# Altium PCB CCZynq.PcbDoc (part 5 of 5)
Units mil, origin at the board's own origin, x right, y up, seen from the top; angles counter-clockwise.
Board outline 3895 x 3895 mil, 4 copper layers (Top Layer, GND, PWR, Bottom Layer), stack 23.756 mil thick; 247 components, 195 nets, 1181 pads, 779 vias.
Unrouted connection lines stored in the file: 8.
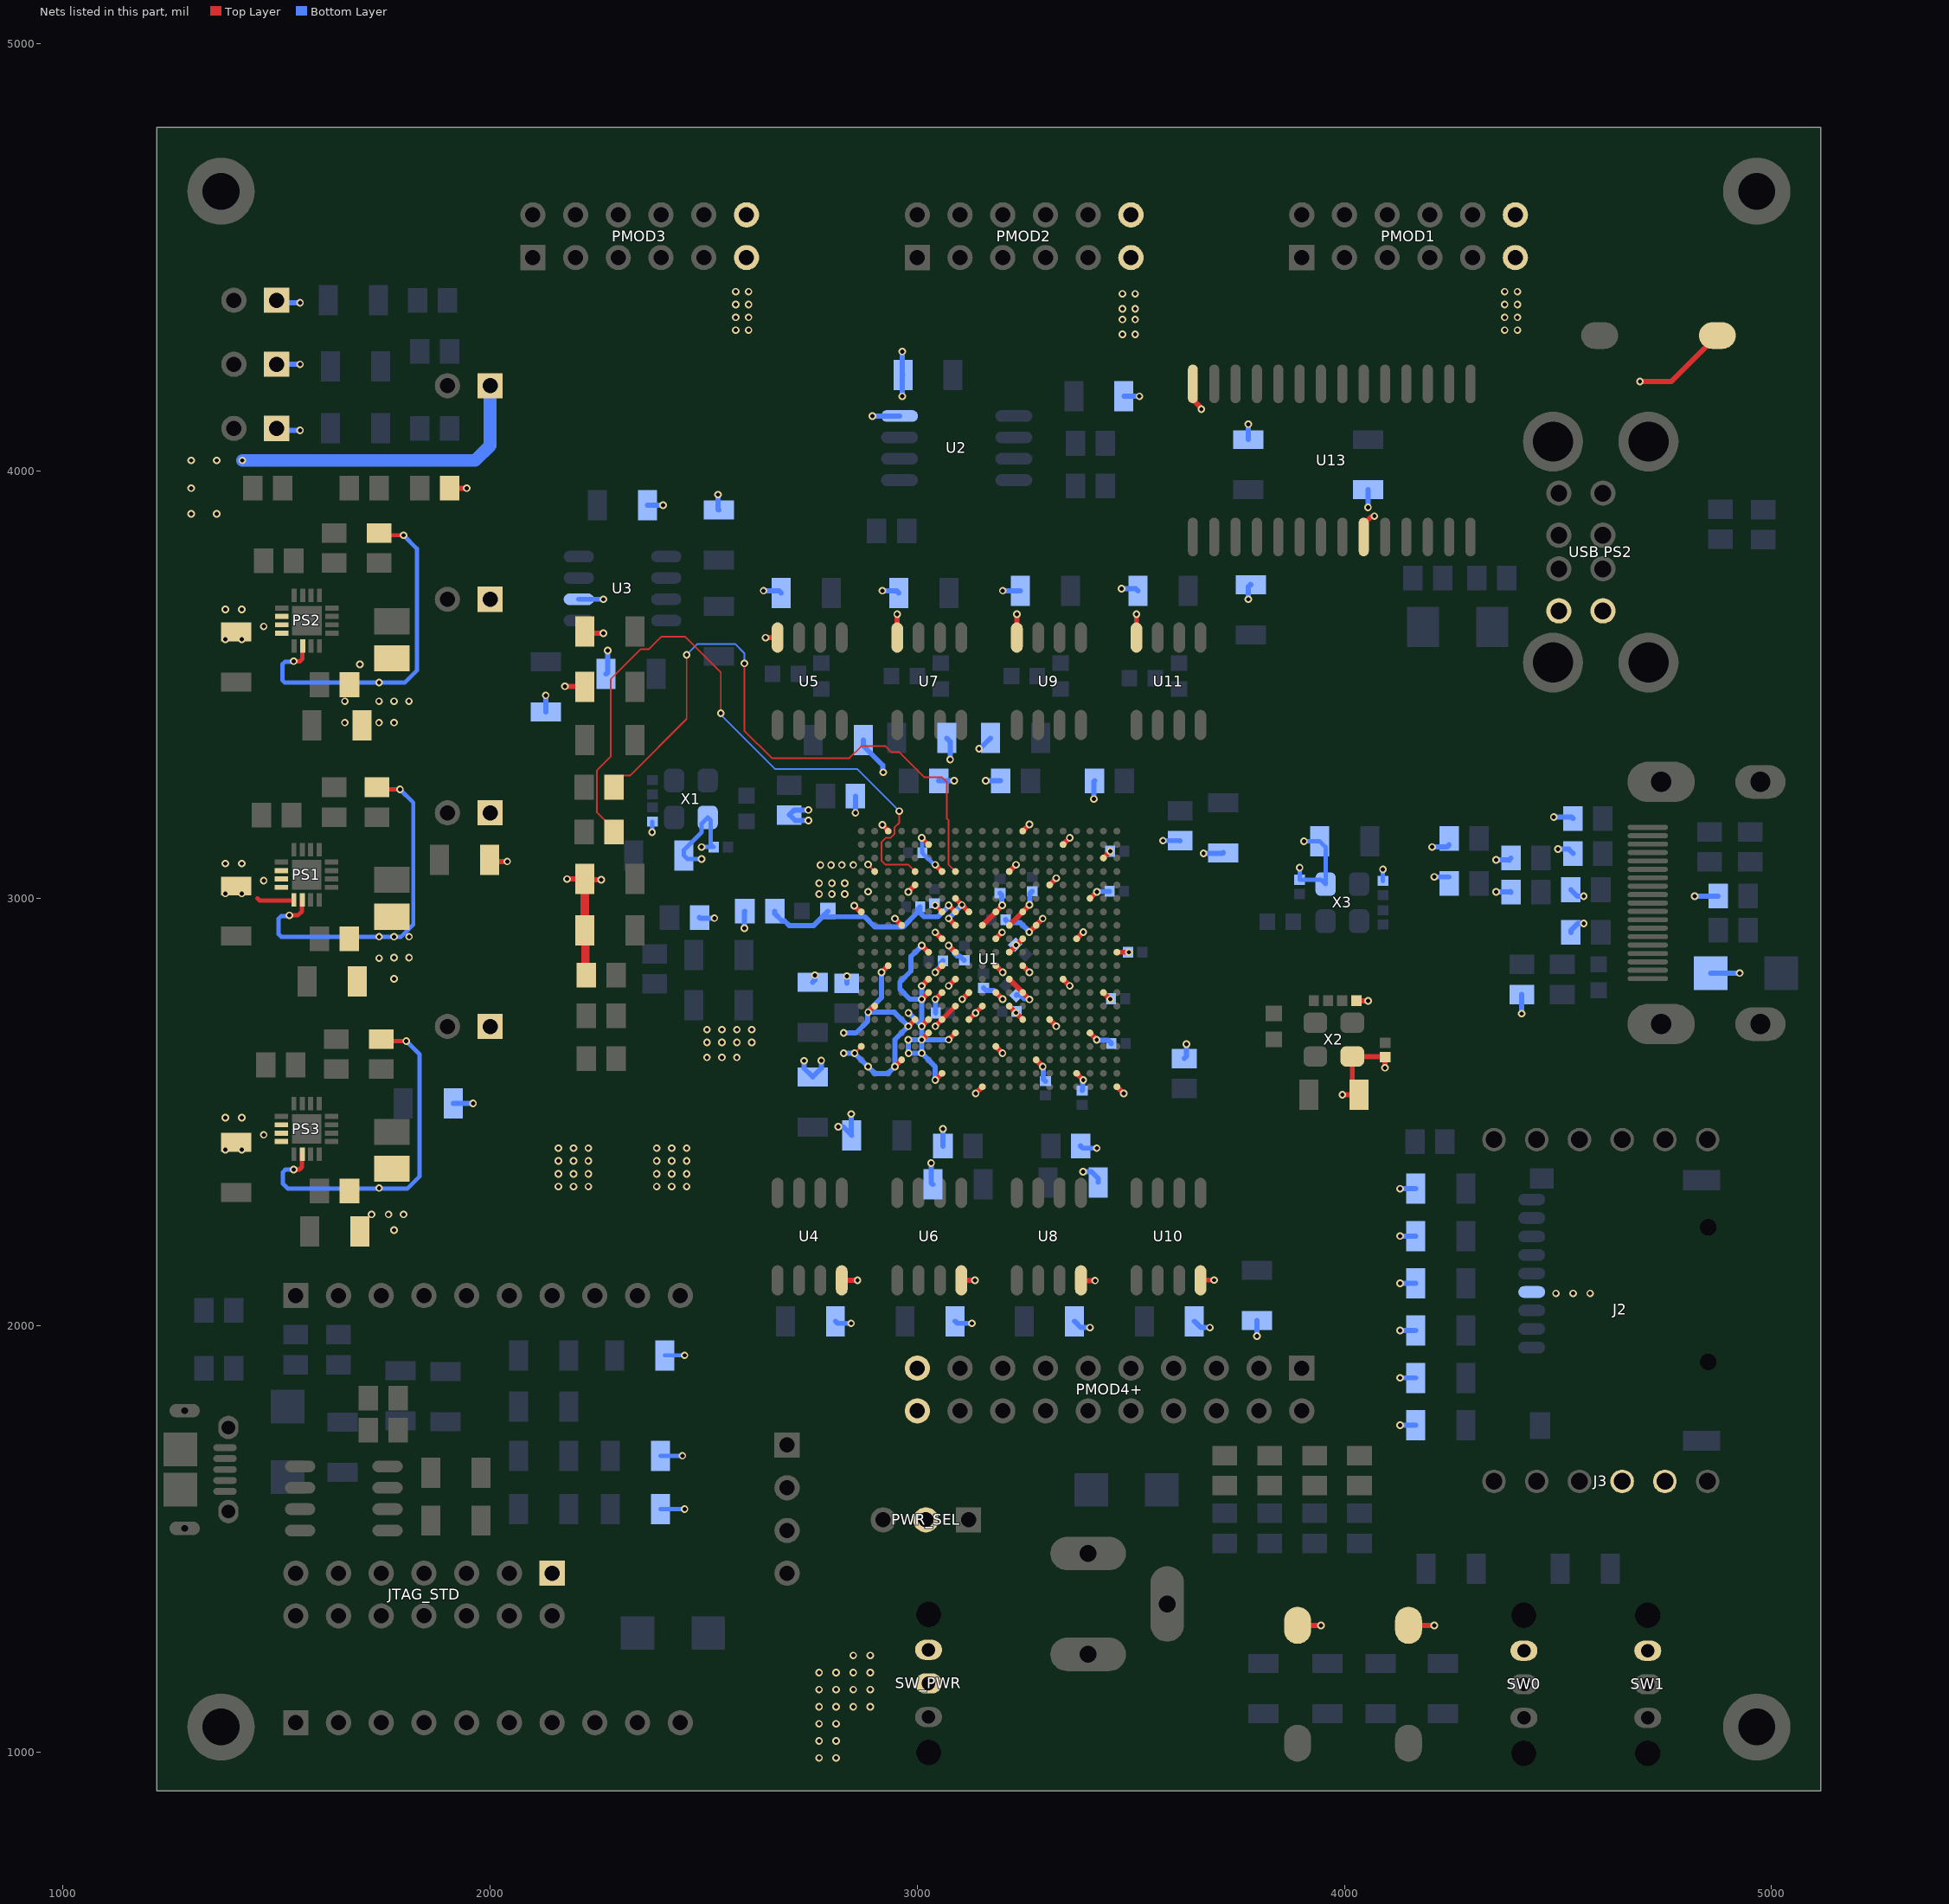
[diagram p7: the nets of this part, all layers, seen from the top]

## Via types
v1: diameter 17.72, hole 10, Top Layer to Bottom Layer, tented both sides, 747 vias
v2: diameter 23.62, hole 15.75, Top Layer to Bottom Layer, tented both sides, 32 vias

## Nets (pads, with @x,y where several pads share a name; then routed paths per layer and width w, separated by ;. In a path a pad name is that pad's centre, name@x,y a point inside that pad or via, vN(x,y) a via of type N, cw(c..) or ccw(c..) an arc to the next point about the centre after c; other vN are vias at no path point) (continued)
VCC1V0: 1V0.1 C1.1 C2.1 C3.1 C4.1 C5.1 C6.1 C7.1 C12.1 C13.1 C14.1 C15.1 C16.1 C23.2 C24.2 C25.2 C50.2 C51.2 L1.1 PS1.14 R33.1 R34.2 U1.G7 U1.G11 U1.G13 U1.H10 U1.H12 U1.J7 U1.J13 U1.K12 U1.L7 U1.L13 U1.M12 U1.N7 U1.N13 U1.P8 U1.P12 U1.R7 U1.R13 | length 1773
  Top Layer w10: v1(1530,2960) 1550,2960 1559.25,2969.25 1559.25,2994.09 PS1.14@1560.16,2995 ; R34.2@1735,3260.08 1740.08,3255 v1(1788.76,3255) ; v1@3042.13,2983.75 U1.G7@3057.65,2968.24
  Top Layer w12: R33.1@1998.66,3090 2002.43,3086.23 v1(2040,3086.23) ; v1(3042.02,2763.51) U1.N7@3057.76,2779.26 ; v1(3042.02,2826.5) U1.L7@3057.76,2842.25 ; v1(3042.02,2983.75) v1@3042.13,2983.75 ; v1(3042.13,2920.3) 3042.42,2920.3 3057.48,2905.24 U1.J7@3057.76,2905.24 ; v1(3042.25,2700.52) 3042.25,2700.64 3057.76,2716.15 U1.R7@3057.76,2716.27 U1.P8@3089.26,2747.76 ; U1.G7@3057.65,2968.24 U1.G7@3057.76,2968.24 ; U1.H10@3152.25,2936.74 U1.G11@3183.75,2968.24 3198.57,2983.06 v1(3198.57,2983.64) ; U1.P12@3215.24,2747.76 3215.24,2747.65 3230.76,2732.13 v1(3230.76,2732.02) 3231.11,2732.02 3246.74,2716.38 U1.R13@3246.74,2716.27 ; U1.M12@3215.24,2810.76 U1.N13@3246.74,2779.26 3246.74,2779.14 3262.49,2763.4 v1(3262.49,2763.28) ; U1.K12@3215.24,2873.75 U1.J13@3246.74,2905.24 3246.74,2905.36 3231.59,2890.21 v1(3231.13,2890.21) ; U1.H12@3215.24,2936.74 U1.G13@3246.74,2968.24 3246.74,2968.47 3262.55,2984.27 v1(3262.55,2984.5) ; U1.L13@3246.74,2842.25 3246.86,2842.25 3262.37,2826.73 v1(3262.49,2826.73)
  Bottom Layer w10: v1(1530,2960) 1528.52,2958.52 1510.86,2958.52 1505,2952.67 1505,2915.86 1510.86,2910 v1(1740,2910) v1(1775,2910) 1791.65,2910 1820,2938.35 1820,3223.76 v1(1788.76,3255)
  Bottom Layer w12: C3.1@2490.04,2955 2491.47,2953.57 v1(2525,2953.57) ; C12.1@2755,2803.66 2760,2808.66 v1(2760,2820) ; C13.1@2835,2801 v1(2835,2817.83) ; v1(3042.02,2763.51) 3042.64,2762.89 3042.64,2732.18 C15.1@3043.27,2731.55 ; v1(3042.02,2826.5) 3042.02,2828.05 3054.19,2840.22 3054.19,2847.76 C14.1@3060,2853.57 ; C2.1@3050.04,3275 v1(3086.2,3275) ; C1.1@3068.66,3375 3076.73,3366.93 v1(3076.73,3325) ; v1(3144.5,3350) 3146.34,3350 C25.2@3171.34,3375 C25.2@3170,3373.66 ; v1(3160,3275) 3193.69,3275 3194.33,3275.63 C24.2@3194.96,3275 ; C23.2@3193.69,3011.85 3197.48,3008.07 3197.48,2984.73 v1(3198.57,2983.64) ; C5.1@3231.83,2773.17 3232.53,2773.86 3240.75,2773.86 3250.23,2764.38 3261.39,2764.38 v1(3262.49,2763.28) ; v1(3262.55,2984.5) 3263.64,2985.6 3263.64,3011.12 C6.1@3269.06,3016.54
  other v1: 1774.9,2811.27 1740,2859.76 1774.9,2861.27 1810,2861.27 1810,2910
VCC1V8: 1V8.1 C9.2 C10.2 C11.2 C17.2 C18.2 C19.2 C58.2 C59.2 FB2.2 L3.1 PS3.14 R39.1 R41.2 U1.A3 U1.D2 U1.E5 U1.F8 U1.G1 U1.G9 U1.H4 U1.H8 U1.J11 U1.K8 U1.L3 U1.L11 U1.M8 U1.N9 U1.N11 U1.P2 U1.P10 U1.R5 U1.R9 U1.U1 U1.V4 | length 2841.9
  Top Layer w5: v1(2853.04,2637.41) 2853.04,2637.47 2868.79,2653.22 U1.U1@2868.79,2653.28 ; v1(2884.54,3079.05) 2884.54,3078.76 2900.28,3063.01 U1.D2@2900.28,3062.72
  Top Layer w10: v1(1540,2365) 1553.31,2365 1559.25,2370.94 1559.25,2400.04 PS3.14@1560.16,2400.94 ; R41.2@1745,2670.04 1749.45,2665.59 v1(1803.76,2665.59)
  Top Layer w12: v1(2885.14,2733.2) v1@2884.54,2733.2 ; v1(2916.03,2826.5) U1.L3@2931.78,2842.25 ; v1(2947.53,2606.03) U1.V4@2963.28,2621.78 ; v1(2947.53,2952.49) U1.H4@2963.28,2936.74 ; v1(2978.79,2700.52) 2978.91,2700.52 2994.66,2716.27 U1.R5@2994.77,2716.27 ; v1(2979.02,3014.9) 2979.02,3015.52 U1.E5@2994.73,3031.23 ; v1(3073.51,2795.01) U1.M8@3089.26,2810.76 ; v1(3073.51,2889.27) 3073.63,2889.27 3089.14,2873.75 U1.K8@3089.26,2873.75 ; v1(3073.51,2952.72) 3073.51,2952.6 3089.26,2936.86 U1.H8@3089.26,2936.74 ; U1.F8@3089.26,2999.73 v1@3104.07,2984.92 ; v1(3104.07,2984.34) v1@3104.07,2984.92 ; v1(3105.01,2763.51) U1.N9@3120.76,2779.26 ; U1.R9@3120.76,2716.27 v1@3135.85,2731.37 ; v1(3136.43,2731.37) v1@3135.85,2731.37 ; U1.N11@3183.75,2779.26 3183.86,2779.26 3199.38,2763.74 v1(3199.5,2763.74) ; U1.L11@3183.75,2842.25 3199.5,2826.5 v1(3200,2826.5) ; U1.J11@3183.75,2905.24 3183.75,2905.53 3198.27,2920.06 v1(3198.27,2920.35) ; v1@2884.54,2733.2 2900.61,2749.27 v1@2884.54,2733.2 ; v1@3104.07,2984.92 U1.G9@3120.76,2968.24 v1@3104.07,2984.92 ; v1@3135.85,2731.37 U1.P10@3152.25,2747.76 v1@3135.85,2731.37 ; v1(2852.53,2982.49) 2868.28,2966.74 v1(2852.53,2982.49) ; v1(2918.02,3171.98) 2933.77,3156.23 v1(2918.02,3171.98)
  Bottom Layer w10: v1(1540,2365) 1520.86,2365 1515,2359.14 1515,2331.45 1525.86,2320.59 ; v1(1803.76,2665.59) 1834.96,2634.4 1834.96,2348.9 1806.65,2320.59 ; 1525.86,2320.59 1806.65,2320.59 ; 1525.86,2320.59 1806.65,2320.59
  Bottom Layer w12: R39.1@1913.66,2520 v1(1960,2520) ; v1(2595,2930) FB2.2@2595,2968.69 ; FB2.2@2596.23,2970 FB2.2@2596.27,2969.96 ; C10.2@2700,3194.92 C10.2@2700.58,3195.5 ; v1(2735,2619.64) 2735,2601.87 C11.2@2755,2581.87 2775,2601.87 v1(2775,2620) ; v1(2745.02,3181.93) C10.2@2714.15,3181.93 ; v1(2745,3206.77) 2711.85,3206.77 C10.2@2700.58,3195.5 ; v1(2827.49,2637.53) 2827.55,2637.47 2852.98,2637.47 v1(2853.04,2637.41) v1(2884.77,2605.69) 2900.45,2590 2931.5,2590 v1(2947.53,2606.03) 2947.53,2669.25 v1(2978.79,2700.52) 2946.12,2733.2 v1(2885.14,2733.2) ; v1(2827.49,2685) 2856.41,2685 2884.05,2712.64 2884.05,2732.1 v1(2885.14,2733.2) ; v1(2855,3200) C18.2@2855.04,3238.94 C18.2@2855.04,3238.94 ; C19.2@2873.66,3370 2873.66,3356.81 2918.91,3311.57 2918.91,3296.09 v1(2920,3295) ; v1(2916.03,2826.5) 2916.03,2767.49 2885.14,2736.6 v1(2885.14,2733.2) ; v1(3073.51,2889.27) 3073.51,2887.72 3086.2,2875.03 3086.2,2872.01 3092.65,2865.56 3098.37,2865.56 3109.02,2854.91 C17.2@3110,2854.91 ; v1(3073.51,2952.72) 3073.51,2953.25 3104.07,2983.81 v1(3104.07,2984.34) ; C9.2@3155,2790.05 3160.81,2784.24 3179,2784.24 v1(3199.5,2763.74) ; FB2.2@2595,2968.69 FB2.2@2596.27,2969.96 ; FB2.2@2595,2968.69 FB2.2@2596.27,2969.96 ; C10.2@2700.58,3195.5 C10.2@2714.15,3181.93 ; C10.2@2700.58,3195.5 C10.2@2714.15,3181.93
  other v1: 1774.9,2222.96 1722.16,2260 1762.16,2260 1797.16,2260 1740,2321.69 2160,2325 2195,2325 2230,2325 2390,2325 2425,2325 2460,2325 2160,2355 2195,2355 2230,2355 2390,2355 2425,2355 2460,2355 2160,2385 2195,2385 2230,2385 2390,2385 2425,2385 2460,2385 2160,2415 2195,2415 2230,2415 2390,2415 2425,2415 2460,2415 2507.53,2627.49 2542.51,2627.53 2577.51,2627.53 2507.53,2662.49 2542.53,2662.49 2577.53,2662.49 2612.53,2662.49 2507.53,2692.49 2542.53,2692.49 2577.53,2692.49 2612.53,2692.49 2770,3010 2800,3010 2830,3010 2884.82,3015.48 2770,3035 2800,3035 2830,3035 2773,3077.84 2798.1,3077.84 2823.41,3078.1 2850,3078.1
VCC3V3: 3V3.1 BTN0.1 BTN1.1 C20.1 C21.1 C22.1 C26.2 C27.1 C28.1 C29.1 C30.1 C31.1 C32.1 C33.1 C34.1 C35.1 C36.1 C37.1 C38.1 C39.1 C40.1 C43.1 C44.1 C45.2 C48.2 C49.2 C52.2 C53.2 C64.2 C65.2 C66.2 C67.2 C68.2 C69.2 C70.2 C71.2 C72.1 C73.1 C74.2 C76.1 C77.1 C78.2 C88.2 C89.2 J2.4 J3.2 J3.3 JP_BOOT.1 JP_JTAG.1 JP_PLL.1 JTAG_STD.1 L2.1 PMOD1.11 PMOD1.12 PMOD2.11 PMOD2.12 PMOD3.11 PMOD3.12 PMOD4+.19 PMOD4+.20 PS2.14 R2.2 R3.2 R5.2 R6.1 R9.1 R16.2 R17.2 R18.2 R27.2 R28.2 R29.2 R31.1 R32.2 R36.2 R47.1 R48.1 R60.2 R61.2 R62.2 R63.2 R64.2 R66.2 R79.2 R80.2 R81.2 R82.2 R83.2 R84.2 R85.2 R86.2 SW0.3 SW1.3 U1.A13 U1.B6 U1.B16 U1.C19 U1.D7 U1.D12 U1.E15 U1.F18 U1.H14 U1.J17 U1.K6 U1.K20 U1.M6 U1.M16 U1.N6 U1.N19 U1.R6 U1.R15 U1.T6 U1.T8 U1.T18 U1.U11 U1.V14 U1.W7 U1.W17 U1.Y10 U1.Y20 U2.8 U3.2 U4.8 U5.8 U6.8 U7.8 U8.8 U9.8 U10.8 U11.8 U13.9 U13.28 USBRST.1 X1.4 X2.4 X3.4 | length 6622.3
  Top Layer w10: v1(1540,3555) 1554.96,3555 1560.2,3560.23 1560.2,3590.04 PS2.14@1561.1,3590.94 ; R36.2@1740,3855.04 1745.16,3849.88 v1(1797.16,3849.88) ; v1(3010.52,3141.46) U1.B6@3026.27,3125.72
  Top Layer w12: R32.2@1905.04,3960 1905.08,3960.04 1905.12,3960 v1(1945,3960) ; v1(2175,3496.27) 2220.07,3496.27 R3.2@2221.34,3495 ; v1(2180,3045) R9.1@2221.34,3045 2223.03,3043.31 v1(2260,3043.31) ; R2.2@2221.34,3625 2225.62,3620.72 v1(2265,3620.72) ; v1(2645,3610.08) 2672.72,3610.08 U5.8@2673,3610.36 ; U4.8@2823,2105.64 v1(2860,2105.64) ; U7.8@2953,3610.36 v1(2953,3665) ; v1(3010.52,2669.02) U1.T6@3026.27,2684.77 ; v1(3010.52,2700.52) U1.R6@3026.27,2716.27 ; v1(3010.52,2763.51) U1.N6@3026.27,2779.26 ; v1(3010.52,2794.78) 3010.52,2794.89 3026.27,2810.64 U1.M6@3026.27,2810.76 ; v1(3010.52,2889.27) 3010.64,2889.27 3026.15,2873.75 U1.K6@3026.27,2873.75 ; v1(3042.02,2574.54) U1.W7@3057.76,2590.28 ; v1(3042.02,3078.47) U1.D7@3057.76,3062.72 ; v1(3073.51,2669.02) U1.T8@3089.26,2684.77 ; U6.8@3103,2105.64 v1(3135,2105.64) ; v1(3136.5,2543.04) U1.Y10@3152.25,2558.79 ; U1.U11@3183.75,2653.28 3183.75,2653.16 3199.27,2637.64 v1(3199.27,2637.53) ; U1.D12@3215.24,3062.72 v1(3230.99,3078.47) ; U9.8@3233,3610.36 v1(3233,3665) ; U1.A13@3246.74,3157.21 v1(3262.49,3172.96) ; v1(3261.91,2920.99) 3262.37,2920.99 U1.H14@3278.24,2936.86 ; U1.V14@3278.24,2621.78 3278.24,2621.55 3293.52,2606.26 v1(3293.52,2606.03) ; U1.H14@3278.24,2936.74 U1.H14@3278.24,2936.86 ; v1(3293.52,2952.49) 3293.52,2952.26 3278.24,2936.97 U1.H14@3278.24,2936.86 ; U1.R15@3309.73,2716.27 v1(3325.48,2700.52) ; U1.E15@3309.73,3031.23 v1(3325.48,3046.98) ; U1.M16@3341.23,2810.76 v1(3356.98,2795.01) ; U1.B16@3341.23,3125.72 v1(3356.98,3141.46) ; U1.W17@3372.72,2590.28 v1(3388.47,2574.54) ; U1.J17@3372.72,2905.24 v1(3388.47,2920.99) ; U8.8@3383,2105.64 3383.64,2105 v1(3415.97,2105) ; U1.T18@3404.22,2684.77 3404.22,2684.66 3419.97,2668.91 v1(3419.97,2668.79) ; U1.F18@3404.22,2999.73 3404.51,2999.73 3419.91,3015.13 v1(3420.2,3015.13) ; U1.N19@3435.72,2779.26 v1(3451.46,2763.51) ; U1.C19@3435.72,3094.22 v1(3451.46,3109.97) ; U1.Y20@3467.21,2558.79 v1(3482.96,2543.04) ; U1.K20@3467.21,2873.75 v1(3495,2873.75) ; U11.8@3513,3610.36 v1(3513,3665) ; U13.28@3645,4204.13 3645,4167.52 3663.91,4148.62 3663.91,4146.09 v1(3665,4145) ; U10.8@3663,2105.64 3663.57,2106.21 v1(3695,2106.21) ; BTN0.1@3890,1297.8 v1(3945,1297.8) ; v1(3995,2540) C74.2@4033.66,2540 4018.31,2555.35 X2.4@4018.31,2629.77 4019.06,2629.02 4094.25,2629.02 C73.1@4095,2628.27 v1(4095,2603.31) ; C72.1@4028.07,2760 v1(4055.32,2760) ; U13.9@4045,3845.87 4045,3876.19 4062.25,3893.44 4068.91,3893.44 v1(4070,3894.53) ; BTN1.1@4150,1297.8 v1(4210,1297.8) ; v1(4691.63,4210) 4765.3,4210 USBRST.1@4872.8,4317.5
  Top Layer w20: R9.1@2221.34,3045 R5.2@2221.34,2925 2223.15,2923.19 2223.15,2821.81 R6.1@2224.96,2820
  Bottom Layer w10: v1(1540,3555) 1538.52,3553.52 1519.37,3553.52 1513.39,3547.55 1513.39,3510.74 1519.25,3504.88 v1(1740,3504.88) 1800.05,3504.88 1828.39,3533.23 1828.39,3818.65 v1(1797.16,3849.88) ; v1(2378.98,3154.48) 2379.49,3154.99 2379.49,3178.86 C43.1@2380,3179.37 ; R18.2@2398.66,1570 v1(2455,1570) ; R17.2@2398.66,1695 v1(2450,1695) ; R16.2@2408.66,1930 v1(2455,1930) ; v1(2494.95,3092.09) 2461.57,3092.09 C45.2@2453.66,3100 2453.66,3113.19 2494.95,3154.48 2494.95,3174.6 X1.4@2509.37,3189.02 2516.46,3181.93 2516.46,3126.81 C44.1@2523.27,3120 v1(2495,3120) ; v1(3010.52,3141.46) 3011.31,3140.68 3011.31,3107.52 C22.1@3012.1,3106.73 3012.1,3105.75 3037.89,3079.95 3040.54,3079.95 v1(3042.02,3078.47) ; v1(3895,3071.5) C77.1@3895,3043.47 3945.24,3043.47 X3.4@3955.63,3033.08 3955.63,3119.88 C78.2@3942.2,3133.31 v1(3905,3133.31) ; C76.1@4090,3040.71 v1(4090,3067.41)
  Bottom Layer w12: JP_BOOT.1@1500,4100 1504.49,4095.51 v1(1555,4095.51) ; JP_PLL.1@1500,4250 v1(1555,4250) ; JP_JTAG.1@1500,4400 1506.1,4393.9 v1(1555,4393.9) ; R28.2@2130,3436.34 v1(2130,3475) ; U3.2@2207.64,3700 v1(2265,3700) ; C49.2@2271.34,3525 2275,3528.66 v1(2275,3580) ; R31.1@2368.66,3920.04 R31.1@2368.66,3920.04 v1(2405,3920) ; v1(2533.27,3945) 2533.27,3910.39 R29.2@2535,3908.66 ; v1(2640.04,3720) 2676.34,3720 C65.2@2681.34,3715 ; C64.2@2808.35,2010 2813.35,2005 v1(2845,2005) ; v1(2815.08,2465.02) 2826.31,2465.02 C26.2@2846.34,2445 2845.08,2446.26 v1(2845.08,2495.02) ; v1(2895,4128.94) U2.8@2958.3,4128.94 ; v1(2918.02,3720) 2951.34,3720 C67.2@2956.34,3715 ; v1(2965,4175) 2965,4223.66 C48.2@2966.34,4225 2965,4226.34 v1(2965,4280) ; v1(2979.25,2731.67) v1(2979.25,2731.67) v1(3010.52,2700.52) v1(3010.52,2700.52) ; v1(3010.52,2794.78) v1(3010.52,2763.51) ; v1(3010.52,2889.27) 2985,2863.75 2985,2829.65 2959.16,2803.81 2959.16,2787.36 2983.01,2763.51 v1(3010.52,2763.51) ; v1(3032.35,2380) 3032.35,2333.99 C20.1@3036.34,2330 ; v1(3042.02,2574.54) 3042.02,2605.66 v1@3010.52,2637.16 ; C21.1@3059.96,2420 C21.1@3059.96,2420 v1(3060,2460) ; v1(3073.51,2669.02) v1(3010.52,2669.02) ; C66.2@3088.66,2010 3093.66,2005 v1(3127.7,2005) ; v1(3200,3720) C69.2@3241.34,3720 ; C34.1@3206.73,2950 3206.73,2949.03 3212.54,2943.22 3241,2943.22 3261.91,2922.31 v1(3261.91,2920.99) ; v1(3293.52,2606.03) 3294.62,2604.94 3294.62,2577.12 C33.1@3300,2571.73 ; C68.2@3368.05,2010 3383.05,1995 v1(3404.22,1995) ; C28.1@3382.56,2420 3382.36,2420.2 3382.16,2420 3387.16,2415 v1(3420,2415) ; C31.1@3386.09,2549.81 3387.38,2551.09 3387.38,2573.44 v1(3388.47,2574.54) ; v1(3387.87,2360) 3407.42,2360 3423.66,2343.76 C27.1@3423.66,2335 ; v1(3413.4,3232.33) 3413.4,3273.44 C39.1@3414.96,3275 ; v1(3419.97,2668.79) 3421.06,2667.7 3446.41,2667.7 3447.31,2666.8 3448.3,2666.8 3454.11,2660.98 C32.1@3454.11,2660 ; v1(3420.2,3015.13) 3420.9,3015.84 3449.5,3015.84 C35.1@3450.2,3016.54 ; v1(3478.12,3724.71) 3511.63,3724.71 C71.2@3516.34,3720 ; R27.2@3483.66,4175 v1(3520,4175) ; v1(3575,3135) 3614.83,3135 3614.93,3134.89 C38.1@3615,3134.96 ; C29.1@3625,2625.04 3630,2630.04 v1(3630,2658.35) ; C70.2@3648.66,2010 3663.66,1995 v1(3685,1995) ; v1(3670,3105) 3714.42,3105 3716.15,3106.73 C40.1@3716.55,3106.34 ; v1(3775,3700) 3775,3730 3780,3735 R48.1@3781.34,3733.66 ; C89.2@3775,4073.66 v1(3775,4110) ; v1(3795.02,1975) R47.1@3795,2011.34 ; v1(4055,3915) C88.2@4055,3956.34 ; v1(4130,1766.69) R61.2@4166.34,1766.69 ; v1(4130,1877.36) R60.2@4166.34,1877.36 ; v1(4130,1988.02) R64.2@4166.34,1988.02 ; v1(4130,2098.68) R63.2@4166.34,2098.68 ; v1(4130,2209.34) R62.2@4166.34,2209.34 ; v1(4130,2320) R66.2@4166.34,2320 ; v1(4205,3120) 4239.96,3120 R81.2@4244.96,3125 ; v1(4210,3050) R82.2@4244.96,3050 ; v1(4355,3015) 4388.09,3015 4388.69,3015.6 R80.2@4389.96,3014.33 ; v1(4355,3090) 4384.29,3090 4384.96,3089.33 R79.2@4389.96,3094.33 ; v1(4490,3190) 4531.79,3190 R83.2@4534.96,3186.83 ; v1(4500,3115) 4524.96,3115 R84.2@4534.96,3105 ; R86.2@4529.96,2920 4529.96,2924.44 4546.79,2941.27 v1(4560,2941.27) ; R85.2@4529.96,3020 4544.96,3005 v1(4560,3005) ; v1@3010.52,2637.16 2979.97,2637.16 v1(2979.6,2637.53) 2979.31,2637.82 2979.31,2668.16 v1(2979.02,2668.45) 2979.31,2668.74 3010.23,2668.74 v1(3010.52,2669.02) ; v1@3010.52,2637.16 v1(3010.52,2669.02) ; v1(3010.52,2669.02) v1(3010.52,2700.52) ; v1(3010.52,2700.52) v1(3010.52,2763.51)
  other v1: 4495,2075 4535,2075 4575,2075 3010.52,2637.64 1659.9,3411.27 1739.9,3411.27 1774.9,3411.27 1659.9,3461.27 1739.9,3461.27 1774.9,3461.27 1809.9,3461.27 1694.9,3547.36 3480,4320 3510,4320 2575,4330 2605,4330 4375,4330 4405,4330 3480,4355 3510,4355 2575,4360 2605,4360 4375,4360 4405,4360 3480,4380 3510,4380 2575,4390 2605,4390 4375,4390 4405,4390 3480,4415 3510,4415 2575,4420 2605,4420 4375,4420 4405,4420
VCC5V: 5V0.1 "USB PS2.A1" "USB PS2.B1" C55.2 C57.2 C63.2 D10.1 FB3.2 PS1.10 PS1.11 PS1.12 PS1.13 PS2.10 PS2.11 PS2.12 PS3.10 PS3.11 PS3.12 R87.2 SW_PWR.3 | length 989.6
  Top Layer w10: 1455,3000 1460,2995 PS1.13@1540.47,2995
  Bottom Layer w12: v1(4415,2730) FB3.2@4415,2774.96 ; v1(4820,3005) R87.2@4874.96,3005 ; D10.1@4857.32,2825 v1(4925,2825)
  Bottom Layer w30: v1(1420,4025) 1965,4025 2000,4060 5V0.1@2000,4200
  other v1: 2770,987.46 2810,987.46 2770,1027.46 2810,1027.46 2770,1067.46 2810,1067.46 2770,1107.46 2810,1107.46 2850,1107.46 2890,1107.46 2770,1147.46 2810,1147.46 2850,1147.46 2890,1147.46 2770,1187.46 2810,1187.46 2850,1187.46 2890,1187.46 2850,1227.46 2890,1227.46 1379.9,2411.27 1418.64,2411.27 1469.9,2446.27 1379.9,2486.27 1418.64,2486.27 1379.9,3011.27 1418.64,3011.27 1469.9,3041.27 1379.9,3081.27 1418.64,3081.27 1379.9,3606.27 1418.64,3606.27 1469.9,3636.27 1379.9,3676.27 1418.64,3676.27 1300,3900 1360,3900 1300,3960 1300,4025 1360,4025
VCC5V_SW: PWR_SEL.2 SW_PWR.2
VCCPLL: C41.2 C42.2 FB2.1 U1.G8 | length 617.5
  Top Layer w4: v1(3073.51,2983.75) v1@3073.63,2983.75 ; U1.G8@3089.14,2968.24 U1.G8@3089.26,2968.24
  Top Layer w12: v1@3073.63,2983.75 U1.G8@3089.14,2968.24
  Bottom Layer w12: FB2.1@2666.31,2970 2666.31,2963.9 2683.14,2947.06 2689.24,2947.06 2699.96,2936.34 2757.64,2936.34 2790.31,2969.02 C42.2@2790.31,2970 ; v1(3073.51,2983.75) 3072.42,2982.66 3072.42,2980.52 3048.61,2956.71 3015.58,2956.71 3006.73,2965.56 C41.2@3006.73,2980 3000.92,2974.19 3000.92,2967.48 2966.06,2932.62 2900.99,2932.62 2876.91,2956.71 ; 2876.91,2956.71 2787.62,2956.71 2876.91,2956.71
VCFG0: R10.1 U1.D8 | length 1490.2
  Top Layer w4: R10.1@2290.04,3260 2290.04,3266.1 2310.87,3286.94 2326.94,3286.94 2460,3420 v1(2460,3570) ; v1(2595,3550) 2595,3392.63 2659.49,3328.14 2841.13,3328.14 2869,3356 2925.7,3356 2939.7,3342 2957.94,3342 3016.16,3283.78 3056.94,3283.78 3069.26,3271.46 3069.26,3186.48 3073.51,3182.22 3073.51,3078.47 U1.D8@3089.26,3062.72
  Bottom Layer w4: v1(2460,3570) 2485.59,3595.59 2573.33,3595.59 2595,3573.92 v1(2595,3550)
VCFG1: R11.1 U1.D5 | length 1560.8
  Top Layer w4: R11.1@2290.04,3155 2290.04,3161.1 2250,3201.14 2250,3300 2282.5,3332.5 2282.5,3513.35 2351.72,3582.56 2371.11,3582.56 2401.02,3612.47 2456.23,3612.47 2540,3528.7 v1(2540,3433) ; v1(2957.86,3204.03) 2957.86,3177 2946.79,3165.93 2946.79,3151 2936.88,3141.09 2925.94,3141.09 2916.03,3131.19 2916.03,3088.75 2926.08,3078.7 2979.02,3078.7 2979.02,3078.59 2994.77,3062.84 U1.D5@2994.77,3062.72
  Bottom Layer w4: v1(2540,3433) 2540,3429.39 2666.55,3302.84 2859.05,3302.84 v1(2957.86,3204.03)
pads on no net: HDMI.13 HDMI.14 HDMI.15 HDMI.16 J2. J3.4 J_FT_AC.3 J_FT_AC.4 J_FT_AC.5 J_FT_AC.6 J_FT_AC.7 J_FT_AC.8 J_FT_AC.9 J_FT_AC.10 J_FT_AD.5 J_FT_AD.6 J_FT_AD.7 J_FT_AD.8 J_FT_PWR.2 J_FT_PWR.3 JTAG_STD.11 JTAG_STD.13 SW0. SW1. SW_PWR. SW_PWR.1 U1.A1 U1.A2 U1.A4 U1.A9 U1.A10 U1.A11 U1.A12 U1.A14 U1.A15 U1.A16 U1.A17 U1.A19 U1.B2 U1.B3 U1.B4 U1.B5 U1.B9 U1.B12 U1.B13 U1.B14 U1.B15 U1.B17 U1.B18 U1.C1 U1.C2 U1.C3 U1.C5 U1.C6 U1.C8 U1.C10 U1.C11 U1.C12 U1.C13 U1.C15 U1.C16 U1.C17 U1.C18 U1.D1 U1.D3 U1.D4 U1.D9 U1.D10 U1.D11 U1.D13 U1.D14 U1.D15 U1.D16 U1.E1 U1.E2 U1.E3 U1.E4 U1.E6 U1.E8 U1.E9 U1.E12 U1.E13 U1.E14 U1.E16 U1.F1 U1.F2 U1.F4 U1.F5 U1.F12 U1.F13 U1.F14 U1.F15 U1.G2 U1.G3 U1.G4 U1.G5 U1.H1 U1.H2 U1.H3 U1.H5 U1.H6 U1.J1 U1.J3 U1.J4 U1.J5 U1.K1 U1.K2 U1.K3 U1.K4 U1.L1 U1.L2 U1.L4 U1.L5 U1.M2 U1.M3 U1.M4 U1.M5 U1.M15 U1.N1 U1.N2 U1.N3 U1.N5 U1.N16 U1.P1 U1.P3 U1.P4 U1.P5 U1.P6 U1.R1 U1.R2 U1.R3 U1.R4 U1.T1 U1.T2 U1.T4 U1.T5 U1.T9 U1.U2 U1.U3 U1.U4 U1.U5 U1.U7 U1.U8 U1.U9 U1.U10 U1.V1 U1.V2 U1.V3 U1.V5 U1.V6 U1.V7 U1.V8 U1.V10 U1.V11 U1.W1 U1.W3 U1.W4 U1.W5 U1.W6 U1.W8 U1.W9 U1.W10 U1.W11 U1.Y1 U1.Y2 U1.Y3 U1.Y4 U1.Y6 U1.Y7 U1.Y8 U1.Y9 U1.Y11 U1.Y12 U1.Y13 U3.5 U3.6 U3.8 U12.4 U13.3 U13.4 U13.7 U13.8 U13.15 U13.16 U13.17 U13.18 U13.19 U13.20 U13.21 U13.22 U13.24 U13.25 U13.26 U13.27 USB_UART.4
copper on no net: | length 44.6
  Top Layer w4: 3309.73,2810.76 3309.73,2810.47 3325.13,2795.07 v1(3325.13,2794.78) ; 3341.23,2779.26 v1(3356.98,2763.51)

## Polygon pours and split planes (outlines as drawn)
VCC3V3 on Top Layer "Top Layer-VCC3V3 2" (solid, pour order 34): 4355,4625.8 4374.2,4645 4420.31,4645 4440,4625.31 4440,4325 4425,4310 4370,4310 4355,4325
VCC5V on Top Layer "Top Layer-VCC5V" (solid, pour order 48): 2855,1300.41 3064.09,1300.41 3145,1219.5 3145,1065 3035,955 2767.58,955 2665,1057.58 2665,1140 2825.34,1300.34
JTAG5V on Top Layer "Top Layer-JTAG5V" (solid, pour order 6): 1755,1779.44 1755,1734.12 1783.72,1705.4 2144.6,1705.4 2210,1640 2210,1105 2210,1030.19 2235.27,1004.92 2514.92,1004.92 2960,1450 2960,1645 2820,1785 2505,1785 2405,1885 2405,2076.08 2365,2115 2360,2120 2236.5,2119.72 2210,2093.22 2210,2010 2085,1885 1777.5,1885 1755,1862.5
VCC3V3 on Top Layer "Top Layer-VCC3V3" (solid, pour order 38): 3460,4620.8 3479.2,4640 3525.31,4640 3545,4620.31 3545,4320 3530,4305 3475,4305 3460,4320
VCC3V3 on Top Layer "Top Layer-VCC3V3 1" (solid, pour order 36): 2555,4625.8 2574.2,4645 2620.31,4645 2640,4625.31 2640,4325 2625,4310 2570,4310 2555,4325
NetC80_2 on Top Layer "Top Layer-NetC80_2" (solid, pour order 18): 4428.88,3630 4398.88,3600 4398.88,3471.12 4430,3440 4971.12,3440 5040,3508.88 5040,4081.12 4966.12,4155 4431.56,4155 4405,4128.44 4405,4013.31 4430,3989.11 4674.94,3989.11 4708.31,3955.75 4708.31,3677.03 4661.28,3630
HDMI_5V on Top Layer "Top Layer-HDMI_5V" (solid, pour order 12): 4753.91,2851.09 4770,2835 4770,2825 4765,2820 4638.19,2820 4628.19,2810 4390,2810 4370,2830 4370,2870 4385,2885 4625,2885 4630,2880 4630,2859.78 4638.69,2851.09
VCC1V8 on Top Layer "Top Layer-VCC1V8" (solid, pour order 28): 2897.72,3306.08 2873.71,3282.07 2708.3,3282.07 2705.2,3278.56 2690,3263.36 2690,3144.69 2779.69,3055 2906.22,3055 2911.22,3060 2911.22,3141.22 2915,3145 2940.79,3145 2941.34,3145.55 2941.34,3286.84 2922.1,3306.08
VCC1V8 on Top Layer "Top Layer-VCC1V8 1" (solid, pour order 24): 2876.54,2584.96 2876.69,2584.81 2969.06,2584.81 3026.27,2642.02 3026.27,2701.54 2972.4,2755.41 2915.01,2755.41 2903.72,2766.7 2903.72,2866.91 3007,2970.19 3007,3035 2994.28,3047.72 2732.72,3047.72 2661.73,2976.73 2540.03,2976.73 2435,2871.69 2435,2649.88 2500.07,2584.81 2545,2584.81
NetC83_1 on Top Layer "Top Layer-NetC74_1" (solid, pour order 16): 4675,3335 4645,3305 4645,3233.66 4673.66,3205 4800,3205 4815,3190 4815,2796.27 4778.73,2760 4668.19,2760 4638.19,2730 4638.69,2729.5 4638.69,2678.87 4662.59,2654.96 5024.96,2654.96 5050,2680 5050,3305 5020,3335
VCC1V8 on Top Layer "Top Layer-VCC1V8 2" (solid, pour order 32): 2464.63,2455 2488.27,2431.36 2488.27,2300 2470.27,2282 2156.27,2282 2138.27,2300 2138.27,2427.9 2165.37,2455
USB5V on Top Layer "Top Layer-USB5V" (solid, pour order 10): 1723.75,1885 1745,1863.75 1745,1730 1715,1700 1355.8,1700 1345,1710.8 1345,1720.51 1354.49,1730 1414.21,1730 1432.74,1750 1432.74,1854.66 1463.09,1885
no net on Top Layer "Top Layer-No Net" (solid, pour order 4): 1735,3565
no net on Top Layer "Top Layer-No Net 1" (solid, pour order 2): 1735,3550
VCC5V on Bottom Layer "Bottom Layer-VCC5V 2" (solid, pour order 50): 2890.75,1275 2904.96,1260.79 2904.96,969.96 2890,955 2745,955 2730,970 2730,1260.75 2744.25,1275
GND on Bottom Layer "Bottom Layer-GND 1" (solid, remove dead copper, pour order 46): 5022.68,3345 5095,3272.68 5095,2681.38 5070,2656.38 4391.66,2656.38 4215,2833.04 4215,3205 4355,3345
VCC5V on Bottom Layer "Bottom Layer-VCC5V" (solid, pour order 42): 1975,4245 1955,4225 1955,4175 1980,4150 2035,4150 2060,4175 2060,4220 2035,4245
VCC5V on Bottom Layer "Bottom Layer-VCC5V 1" (solid, pour order 40): 1435,4050 1474.96,4010.04 1474.96,3895.37 1430.17,3850.57 1269.43,3850.57 1245,3875 1245,4024.86 1270.14,4050
HDMI_5V on Bottom Layer "Bottom Layer-HDMI_5V" (solid, pour order 14): 4381.5,2881.5 4370,2870 4370,2829.96 4389.96,2810 4625,2810 4640,2825 4640,2866.5 4625,2881.5
GND on Bottom Layer "Bottom Layer-GND" (solid, pour order 22): 4415,2185 4405,2175 4405,2155 4415,2145 4470,2145 4475,2140 4590,2140 4595,2145 4595,2180 4590,2185
VCC3V3 on Bottom Layer "Bottom Layer-VCC3V3" (solid, pour order 20): 4415,2100 4405,2090 4405,2070 4415,2060 4470,2060 4475,2055 4590,2055 4595,2060 4595,2095 4590,2100
VCC1V8 on Bottom Layer "Bottom Layer-VCC1V8" (solid, pour order 30): 2745,3069.93 2770.07,3095 2884.92,3095 2904.92,3075 2904.92,2986.65 2887.08,2968.81 2840,2968.81 2810.42,2998.56 2751.44,2998.56 2745,3005
VCC5V_SW on Bottom Layer "Bottom Layer-VCC5V_SW" (solid, pour order 8): 2970.21,1595 2930,1554.79 2930,1170 2985,1115 3075,1115 3130,1170 3130,1550.24 3085.24,1595
GND on GND (split plane): 5094.9,930.1 1240.1,930.1 1240.1,4784.9 5094.9,4784.9
VCC1V0 on PWR (split plane): 3193.65,3392.34 3193.65,3067.53 3193.94,3066.06 3194.77,3064.82 3204.91,3054.68 3206.15,3053.86 3207.61,3053.56 3238.42,3053.56 3274.84,3017.14 3274.84,2715.25 3257.5,2697.9 3188.88,2697.9 3180.22,2706.56 3180.22,2734.81 3191.58,2746.18 3219.28,2746.18 3220.75,2746.47 3221.99,2747.3 3227.7,2753.01 3228.53,2754.25 3228.82,2755.72 3228.82,2850 3228.53,2851.46 3227.7,2852.7 3213.82,2866.58 3213.82,2937.37 3213.53,2938.83 3212.7,2940.07 3175.07,2977.7 3173.83,2978.53 3172.37,2978.82 3070,2978.82 3068.54,2978.53 3067.3,2977.7 3056.48,2966.89 3055.65,2965.65 3055.36,2964.19 3055.36,2879.61 3055.36,2800.39 3055.36,2788.93 3055.36,2785.14 3055.65,2783.67 3056.48,2782.43 3071.62,2767.3 3081.27,2757.64 3081.27,2697.97 3064.92,2681.61 3036.58,2681.61 3028.82,2689.37 3028.82,2714.9 3028.53,2716.37 3027.7,2717.61 2968.82,2776.49 2968.82,2857.89 2968.53,2859.35 2967.7,2860.59 2955.59,2872.7 2954.35,2873.53 2952.89,2873.82 2910,2873.82 2908.54,2873.53 2907.3,2872.7 2877.3,2842.7 2876.47,2841.46 2876.18,2840 2876.18,2808.63 2861.37,2793.82 2743.28,2793.82 2741.95,2794.71 2740,2795.1 1845,2795.1 1843.05,2794.71 1841.4,2793.6 1792.89,2745.1 1522.11,2745.1 1515.09,2752.12 1515.09,3282.88 1542.11,3309.9 2084.69,3309.9 2111.18,3283.42 2111.18,3060.99 2111.47,3059.53 2112.3,3058.29 2173.24,2997.34 2174.48,2996.51 2175.95,2996.22 2520.04,2996.22 2521.51,2996.51 2522.75,2997.34 2578.97,3053.56 3051.3,3053.56 3052.76,3053.86 3054,3054.68 3062.7,3063.39 3063.53,3064.63 3063.82,3066.09 3063.82,3394.09 3075.81,3406.08 3179.91,3406.08
VCC1V8 on PWR (split plane): 3206.18,2935.78 3206.18,2865 3206.47,2863.54 3207.3,2862.3 3221.18,2848.42 3221.18,2757.3 3217.7,2753.82 3190,2753.82 3188.54,2753.53 3187.3,2752.7 3173.69,2739.1 3172.86,2737.86 3172.57,2736.4 3172.57,2704.98 3172.57,2613.79 3136.48,2577.7 2852.6,2293.82 2384.63,2293.82 2368.92,2309.54 2368.92,2428.51 2382.85,2442.44 2838.93,2442.44 2840.39,2442.74 2841.63,2443.56 3037.7,2639.63 3038.53,2640.87 3038.82,2642.34 3038.82,2673.97 3066.5,2673.97 3067.96,2674.26 3069.2,2675.09 3087.8,2693.68 3088.63,2694.92 3088.92,2696.39 3088.92,2759.22 3088.63,2760.69 3087.8,2761.93 3077.03,2772.7 3063.01,2786.72 3063.01,2788.93 3063.01,2800.39 3063.01,2879.61 3063.01,2962.6 3071.58,2971.18 3170.78,2971.18
VCC3V3 on PWR (split plane): 192 vertices, not listed, extent 1515.09,970.09 5054.91,4499.91
VCC1V8 on PWR (split plane): 2736.18,2724.86 2575.14,2563.82 2310,2563.82 2308.54,2563.53 2307.3,2562.7 2252.2,2507.61 2251.37,2506.37 2251.08,2504.9 2251.08,2186.49 2228.42,2163.82 2053.28,2163.82 2051.95,2164.71 2050,2165.1 1538.51,2165.1 1515.09,2188.52 1515.09,2734.9 1795,2734.9 1796.95,2735.29 1798.6,2736.4 1847.11,2784.9 2736.18,2784.9
VCC5V on PWR (split plane): 5054.91,2585.09 4394.18,2585.09 4355.09,2624.18 4355.09,2840.82 4405.45,2891.18 4646.27,2891.18 4648.88,2891.53 4651.31,2892.53 4653.4,2894.14 4782.13,3022.87 4783.74,3024.96 4784.74,3027.39 4785.09,3030 4785.09,3241.85 4785.09,3560 4784.74,3562.61 4783.74,3565.04 4782.13,3567.13 4724.08,3625.18 4721.99,3626.78 4719.56,3627.79 4716.95,3628.14 4490.85,3628.14 4450.09,3668.9 4450.09,3680.53 4484.18,3714.62 4672.08,3714.62 4674.69,3714.97 4677.13,3715.97 4679.22,3717.58 4782.13,3820.49 4783.73,3822.58 4784.74,3825.01 4785.09,3827.62 4785.09,4060 4785.09,4370 4784.74,4372.61 4783.73,4375.04 4782.13,4377.13 4642.13,4517.13 4640.04,4518.73 4637.61,4519.74 4635,4520.09 1580,4520.09 1577.39,4519.74 1574.96,4518.73 1572.87,4517.13 1497.87,4442.13 1496.27,4440.04 1495.26,4437.61 1494.91,4435 1494.91,4372.3 1494.91,1920 1495.26,1917.39 1496.27,1914.96 1497.87,1912.87 2097.87,1312.87 2099.96,1311.27 2101.68,1310.55 2102.39,1310.26 2105,1309.91 3070.82,1309.91 3144.91,1235.82 3144.91,1074.18 3092.87,1022.13 3040.83,970.09 1280.09,970.09 1280.09,4744.91 5054.91,4744.91

## Other copper
Top Layer:
  region net REG5V: 3475,1385 3510,1420 3510,1635.04 3470.04,1675 3136.5,1675 3070,1608.5 3070,1535 3070,1452.62 3137.62,1385
  region net VCC3V3: 1705,3590 1645,3530 1645,3390 1665,3370 1780,3370 1840,3430 1840,3570 1820,3590
  region net VCC1V8: 1705,2401.69 1645,2341.69 1645,2201.69 1665,2181.69 1780,2181.69 1840,2241.69 1840,2381.69 1820,2401.69
  region net NetL3_2: 1620.69,2476.08 1620.69,2426.08 1685.5,2426.08 1695.88,2416.08 1810.69,2416.08 1820.69,2426.08 1820.69,2483.92 1813.42,2491.08 1695.46,2491.08 1681.15,2476.08
  region net NetL2_2: 1617.03,3666.08 1617.03,3616.08 1681.84,3616.08 1692.22,3606.08 1807.03,3606.08 1817.03,3616.08 1817.03,3673.92 1809.76,3681.08 1691.8,3681.08 1677.49,3666.08
  region net GND: 1564.88,3839.88 1585.12,3860.12 1585.12,3869.88 1600.12,3884.88 1659.65,3884.88 1674.65,3869.88 1676.5,3869.88 1676.5,3831.27 1665.12,3819.88 1595.12,3819.88 1585.12,3809.88 1585.12,3695.24 1581.73,3691.86 1595.12,3678.47 1595.12,3676.11 1535.12,3676.11 1535.12,3715.98 1515.12,3735.98 1515.12,3829.88 1525.12,3839.88
  region net GND: 1564.88,2654.88 1585.12,2675.12 1585.12,2684.88 1600.12,2699.88 1659.65,2699.88 1674.65,2684.88 1676.5,2684.88 1676.5,2646.27 1665.12,2634.88 1595.12,2634.88 1585.12,2624.88 1585.12,2510.24 1581.73,2506.86 1595.12,2493.47 1595.12,2491.11 1535.12,2491.11 1535.12,2530.98 1515.12,2550.98 1515.12,2644.88 1525.12,2654.88
  region net VCC5V: 1525,2475 1490,2475 1460,2505 1367.23,2505 1350,2487.77 1350,2393.98 1358.98,2385 1448.5,2385 1486.05,2425 1525,2425
  region net VCC5V: 1525,3665 1490,3665 1460,3695 1367.23,3695 1350,3677.77 1350,3583.98 1358.98,3575 1448.5,3575 1486.05,3615 1525,3615
  region net GND: 1606.65,3607.57 1614.16,3599.94 1641.71,3599.94 1649.06,3592.6 1649.06,3552.4 1631.65,3535 1631.65,3385.47 1601.18,3355 1391.65,3355 1356.65,3390 1356.65,3525 1366.65,3535 1554.96,3535 1576.65,3556.69 1576.65,3579.59 1576.65,3615 1581.18,3619.53 1605.36,3619.53 1606.65,3618.24
  region net GND: 1605,2417.57 1612.51,2409.94 1640.06,2409.94 1647.4,2402.6 1647.4,2362.4 1630,2345 1630,2195.47 1599.53,2165 1390,2165 1355,2200 1355,2335 1365,2345 1553.31,2345 1575,2366.69 1575,2389.59 1575,2425 1579.53,2429.53 1603.71,2429.53 1605,2428.24
  region net GND: 1570,3022.26 1570,3022.03 1579.53,3012.5 1579.53,3024.53
  region net VCC1V0: 1705,2990 1645,2930 1645,2790 1665,2770 1780,2770 1840,2830 1840,2970 1820,2990
  region net VCC5V: 1525,3070 1490,3070 1460,3100 1367.23,3100 1350,3082.77 1350,2988.98 1358.98,2980 1448.5,2980 1486.05,3020 1525,3020
  region net GND: 1605,3012.57 1612.51,3004.94 1640.06,3004.94 1647.4,2997.6 1647.4,2957.4 1630,2940 1630,2790.47 1599.53,2760 1390,2760 1355,2795 1355,2930 1365,2940 1553.31,2940 1575,2961.69 1575,2984.59 1575,3020 1579.53,3024.53 1603.71,3024.53 1605,3023.24
  region: 1410,3345
  region net GND: 1564.76,3250 1585,3270.24 1585,3280 1600,3295 1659.53,3295 1674.53,3280 1676.38,3280 1676.38,3241.38 1665,3230 1595,3230 1585,3220 1585,3105.36 1581.61,3101.98 1595,3088.59 1595,3086.23 1535,3086.23 1535,3126.1 1515,3146.1 1515,3240 1525,3250
  region net NetL1_2: 1615,3070 1615,3020 1679.81,3020 1690.19,3010 1805,3010 1815,3020 1815,3077.84 1807.73,3085 1689.77,3085 1675.46,3070
Bottom Layer:
  region net VCC5V: 2754.63,1240.74
  region: 3110,1470
  region: 3110,1470
  region net NetC61_2: 1325,1610 1340,1595 1408.66,1595 1418.66,1585 1418.66,1528.66 1395,1505 1250,1505 1250,2035.06 1284.84,2070 1294.84,2080 1355,2080 1355,1865.08 1375,1845.08 1419.92,1845.08 1425,1840 1425,1750 1405,1730 1338.42,1730 1325,1716.58
PWR (plane layer: these items are gaps in the copper):
  lines w7.5: 2050,2160 2230,2160 2254.9,2184.9 2254.9,2504.9 2310,2560 2576.72,2560 2740,2723.28 2740,2790 2862.95,2790 2880,2807.05 2880,2840 2910,2870 2952.89,2870 2965,2857.89 2965,2774.9 3025,2714.9 3025,2687.79 3035,2677.79 ; 2085,3315 2115,3285 2115,3060.99 2175.95,3000.04 2520.04,3000.04 2577.39,3057.39 3051.3,3057.39 3060,3066.09 3060,3395.68 3074.22,3409.9 3181.49,3409.9 3197.47,3393.92 3197.47,3067.53 3207.61,3057.39 3210,3057.39 3240,3057.39 3278.66,3018.73 3278.66,2713.66 3259.08,2694.08 3187.29,2694.08 3176.4,2704.98 ; 2815,2446.27 2838.93,2446.27 3035,2642.34 3035,2677.79 ; 2831.27,2446.27 2507.53,2446.27 2381.27,2446.27 2365.1,2430.1 2365.1,2307.95 2383.05,2290 2512.53,2290 2580,2290 2854.19,2290 3139.19,2575 3176.4,2612.21 3176.4,2704.98 ; 3035,2677.79 3066.5,2677.79 3085.1,2696.39 3085.1,2759.22 3074.32,2770 3059.19,2785.14 3059.19,2788.93 3059.19,2800.39 3059.19,2879.61 3059.19,2964.19 3070,2975 3172.37,2975 3210,2937.37 3210,2865 3225,2850 3225,2755.72 3219.28,2750 3190,2750 3176.4,2736.4 3176.4,2704.98
  lines w10: 1705,2740 1510,2740 1505,2735 1505,2191.4 1536.4,2160 2050,2160 ; 2085,3315 1907.89,3315 1540,3315 1505,3280 1505,2755 1520,2740 1795,2740 1845,2790 2740,2790 ; 4588,3620 4595,3620
  lines w20: 2965,880 3155,1070 3155,1240 3075,1320 2105,1320 1505,1920 1505,4372.3 1505,4435 1580,4510 4635,4510 4775,4370 4775,4060 4775,3827.62 4672.08,3724.71 4480,3724.71 4440,3684.71 4440,3664.72 4486.67,3618.05 4716.95,3618.05 4775,3560 4775,3241.85 4775,3030 4646.27,2901.27 4401.27,2901.27 4345,2845 4345,2620 4390,2575 5206.25,2575 5295,2663.75 5295,4815 5140,4970 1115,4970 1030,4885 1030,1240.74 1030,890 1145,775 2860,775 3100,1015

## Silkscreen, mask and mechanical layers (free items; w line width, h text height)
Top Overlay:
  text "v1.0" at 3035,3990 h50
  text "SqueakyBoard" at 1975,3910.6 h180 r10
  text "CC-BY-SA" at 3035,3900 h50
  text "Peter Gu" at 3035,3810 h50
  text "ustcpetergu.com" at 3035,3735 h50
  text "ZYNQ-7010" at 3160,2425 h75
  text "FT232H" at 2045,2165 h75
  text "W5500-Lite" at 4295,2000 h75
  text "SDCARD" at 4660,1450 h75
  text "On Back" at 4830,1380 h40
Bottom Overlay:
  text "D" at 3260.63,4545 h45
  text "D" at 3965,4540 h45
  text "D" at 4165,4540 h45
  text "D" at 4165,4435 h45
  text "D" at 3965,4430 h45
  text "IO_PSRAM" at 2390.98,4380 h45
  text "GND" at 2480,4320 h45 r270
  text "GND" at 3375,4320 h45 r270
  text "VCC" at 2585,4315 h45 r270
  text "VCC" at 3480,4315 h45 r270
  text "GND" at 4280,4315 h45 r270
  text "VCC" at 4385,4310 h45 r270
  text "eW" at 1335,3340 h350 r270
  text "Dec 2020, USTC / Stay Determined!" at 1355,2315 h75 r270
  text "D" at 3175,1830 h45
  text "D" at 3275,1830.11 h45
  text "D" at 3372.12,1830.11 h45
  text "D" at 3475,1830 h45
  text "VCC" at 3020,1755 h45 r90
  text "GND" at 3125,1750 h45 r90
  text "IO_LEDBTN" at 3915.98,1705 h45
Bottom Solder:
  region: 2755,1270 2740,1255 2740,1190.02 2750.02,1180 2835,1180 2845.08,1190.08 2845.08,1259.92 2835,1270
  region: 3370,2750 3370,2775 3345,2775 3345,2750
  region: 3310,2806.78 3335,2806.78 3335,2780 3310,2780
Mechanical 1:
  the board outline again, w10

## Text inside footprints (layer, text, board x,y; h text height)
JTAG_STD: Top Overlay "13" at 1465,1440 h30 r180; Top Overlay "14" at 1465,1340 h30 r180; Top Overlay "1" at 2265,1440 h30 r180; Top Overlay "2" at 2265,1340 h30 r180
PMOD1: Top Overlay "12" at 4480,4580 h30; Top Overlay "1" at 4520,4480 h30; Top Overlay "1" at 4480,4480 h30; Top Overlay "1" at 3800,4480 h30; Top Overlay "2" at 3800,4580 h30
PMOD2: Top Overlay "12" at 3580,4580 h30; Top Overlay "1" at 3620,4480 h30; Top Overlay "1" at 3580,4480 h30; Top Overlay "1" at 2900,4480 h30; Top Overlay "2" at 2900,4580 h30
PMOD3: Top Overlay "12" at 2680,4580 h30; Top Overlay "1" at 2720,4480 h30; Top Overlay "1" at 2680,4480 h30; Top Overlay "1" at 2000,4480 h30; Top Overlay "2" at 2000,4580 h30
PMOD4+: Top Overlay "2" at 4000,1820 h30 r180; Top Overlay "1" at 4000,1920 h30 r180; Top Overlay "19" at 2940,1920 h30 r180; Top Overlay "20" at 2940,1820 h30 r180
USB_UART: Mechanical 1 "PCB EDGE" at 1210.04,1587.95 h23.62 r90